# KiCad board dendy.kicad_pcb (continued)
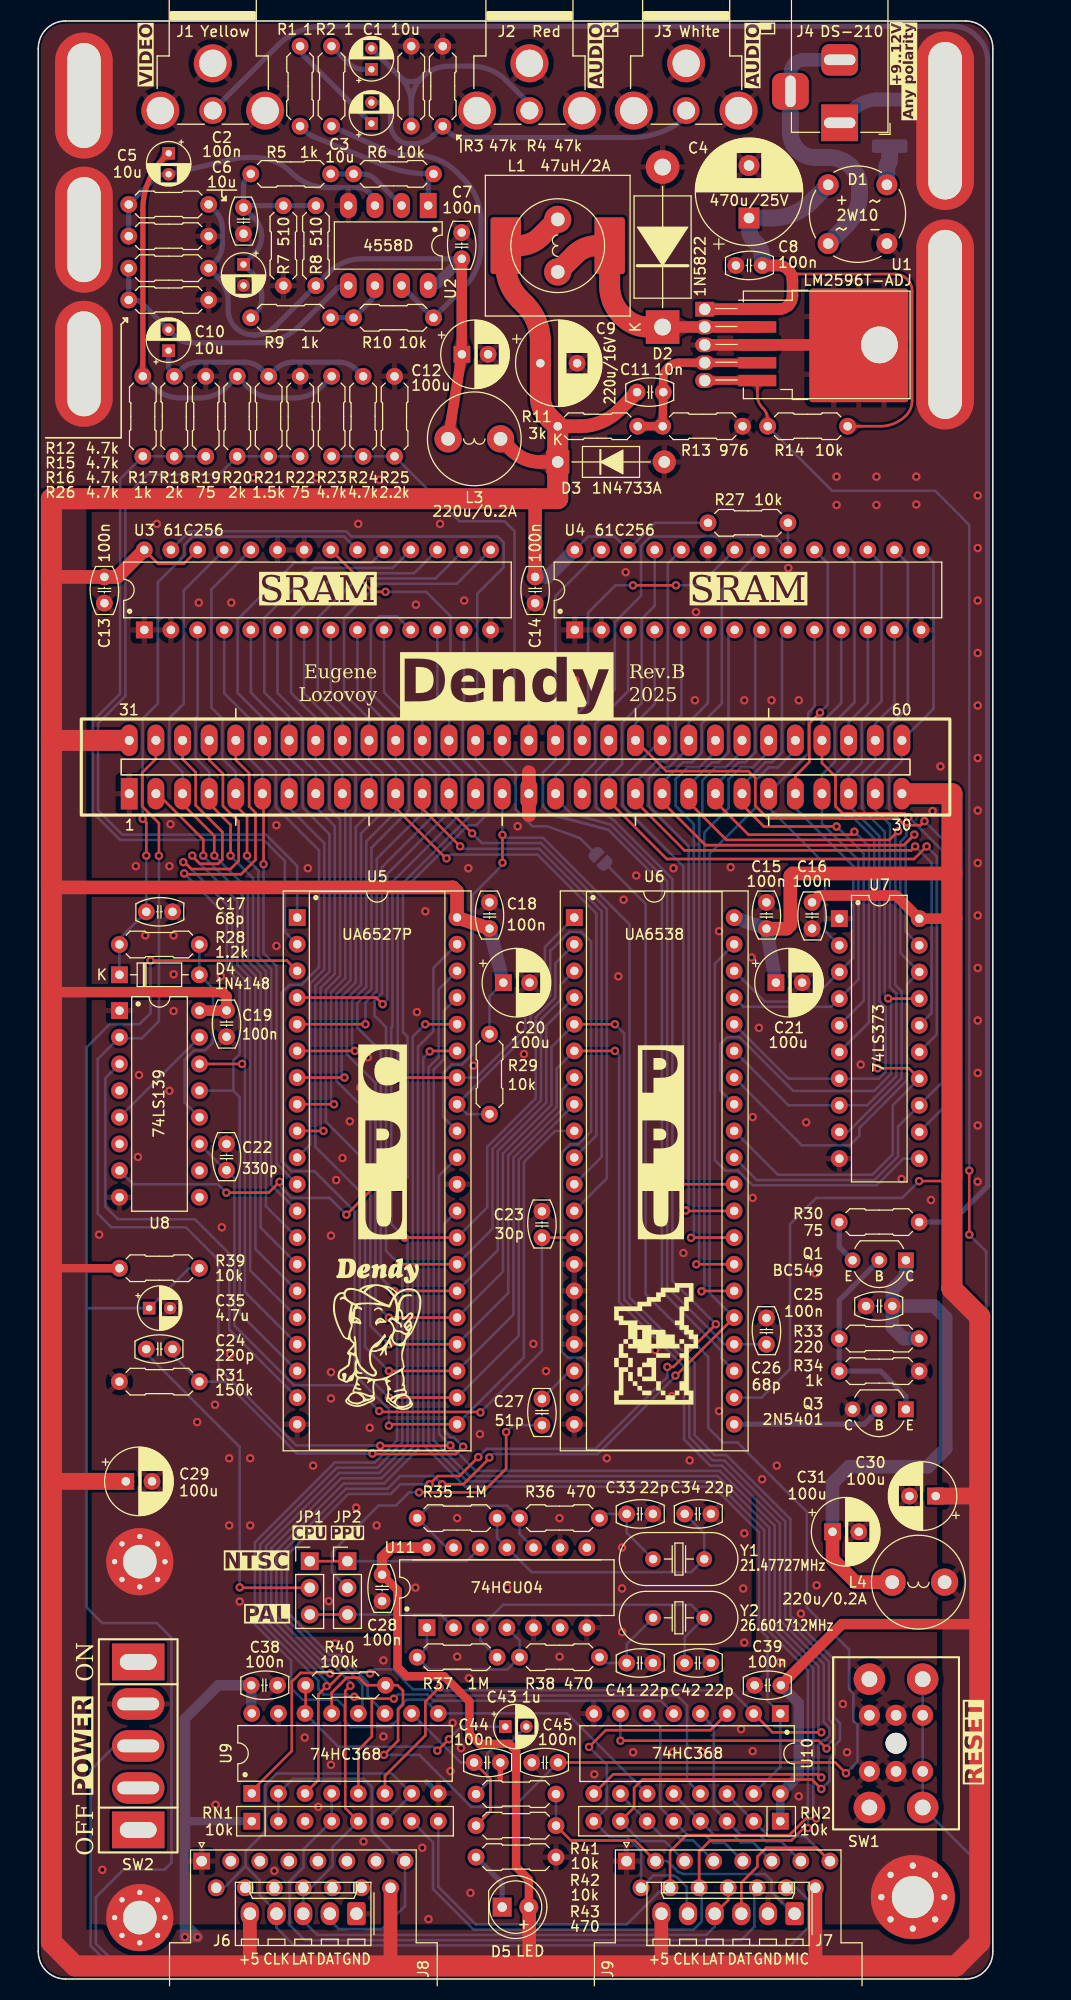
[diagram p0: board, top side]
## Routing (per net, layer and track width the routed paths; a pad name or vN(x,y) marks a point on that pad's centre or on a via; arc(x,y) is an arc through that point) (continued)
/~{PRD}: length 99.4
  Top w0.25: v1(60.79,132.75) v1(56.69,132.75)
  Bottom w0.25: C26.2 65.4,60.46 59.95,65.91 59.95,104.57 54.56,109.96 50.8,111 49.31,112.49 49.31,114.6 50.6,115.89 50.6,119.74 52.41,121.55 52.41,130.14 55.02,132.75 v1(56.69,132.75) ; U4.22 63.01,132.75 v1(60.79,132.75)
/~{PWR}: length 95.6
  Bottom w0.25: 48.94,110.94 54.36,109.46 ; 54.36,109.46 48.94,110.86 48.1,111.7 48.1,114.9 49.31,116.11 49.31,131.75 U4.27 ; 54.36,109.46 59.45,104.36 59.45,65.51 65.11,59.85 65.11,59.14 66.34,57.92
/~{RAMSEL}: length 61.2
  Top w0.25: v1(10.3,107) 10.3,110.15 v1(9.95,110.5)
  Bottom w0.25: v1(9.95,110.5) 9.95,120.05 11.4,121.5 11.4,133.04 13.91,135.56 13.91,136.6 14.71,137.4 29.14,137.4 U3.20 ; v1(10.3,107) 10.29,106.99 C17.2 7.73,99.09 R28.1 D4.1
/~{RESET}: length 249.1
  Top w0.25: v1(10.7,97) 23.7,97 U5.3
  Bottom w0.25: 4.6,63.9 C35.1 14.37,67.7 R39.2 ; 4.6,63.9 4.6,88.74 6.81,90.95 9.65,90.95 10.7,92 v1(10.7,97) ; 4.6,63.9 4.6,35.4 6.1,33.9 11.3,33.9 12.7,32.5 12.7,11.08 12.05,10.42 8.12,10.42 5.49,7.79 5.49,3.37 7.76,1.1 86.19,1.1 89.86,4.77 89.86,10.78 SW1.2 SW1.2
/~{ROMSEL}: length 77.9
  Top w0.25: v1(29.37,72.8) 32.18,75.6 v1(34.42,75.6) ; v1(17.93,74.9) 21.96,74.9 v1(23,75.94)
  Bottom w0.25: U8.7 9.04,75.7 17.13,75.7 v1(17.93,74.9) ; v1(34.42,75.6) 35.2,76.38 35.2,89.75 34.76,90.19 34.76,103.69 40.98,109.9 41.75,109.9 42.95,111.1 42.95,114.9 41.69,116.16 J5.44 ; v1(29.37,72.8) 27.77,74.4 24.15,74.4 23,75.55 v1(23,75.94)
/~{VRAMCS}: length 38.3
  Bottom w0.25: J5.48 51.85,119.68 54.96,122.8 54.96,129.25 57.46,131.75 57.46,136.5 58.36,137.4 70.18,137.4 U4.20 R27.2
Net-(C1-Pad1): length 4.6
  Bottom w0.5: C1.1 30.96,181.9 arc(30.22,182.05) 29.59,182.47 R2.1
Net-(C2-Pad2): length 23.3
  Bottom w0.5: R8.2 R7.1 19.86,168.91 arc(19.75,168.89) 19.65,168.82 ; 19.65,168.65 20.61,167.69 arc(21.12,166.93) 21.3,166.02 arc(21.12,165.12) 20.61,164.35 C6.1 20.49,162.38 arc(21.09,161.49) 21.3,160.43 21.3,160.02 arc(21.16,159.34) 20.78,158.76 R9.2 ; 19.65,168.65 arc(19.62,168.74) 19.65,168.82 ; 19.65,168.65 arc(19.59,168.74) 19.56,168.86 ; 19.56,168.86 19.56,170.76 arc(19.65,171.21) 19.91,171.59 R5.2 ; 19.56,168.86 arc(19.6,168.81) 19.65,168.82
Net-(C3-Pad1): length 10.2
  Bottom w0.5: C3.1 24.96,183.53 R1.1
Net-(C5-Pad1): length 42.8
  Top w0.5: R17.1 9.96,168.52 arc(10.5,171.21) 12.03,173.5 C5.1
  Bottom w0.5: R23.1 26.94,151.63 arc(25.8,150.87) 24.46,150.6 22.47,150.6 arc(21.13,150.87) 19.99,151.63 R20.1 17.94,151.63 arc(16.8,150.87) 15.46,150.6 13.47,150.6 arc(12.13,150.87) 10.99,151.63 R17.1
Net-(C10-Pad1): length 22.3
  Bottom w0.5: R24.1 30.29,153.33 arc(29.55,153.83) 28.67,154 24.26,154 arc(23.38,153.83) 22.64,153.33 R21.1 21.29,153.33 arc(20.55,153.83) 19.67,154 15.26,154 arc(14.38,153.83) 13.64,153.33 13.24,152.93 arc(12.96,152.81) 12.69,152.93 arc(12.49,153.23) 12.42,153.59 C10.1
Net-(C33-Pad2): length 8.1
  Bottom w0.25: Y1.2 56.09,42.51 C33.2 53.9,44.3 R36.2
Net-(C34-Pad2): length 28.6
  Bottom w0.25: R35.1 43.74,42.02 U11.11 44.7,41.09 47.03,38.75 62.23,38.75 Y1.1 63.48,42.44 C34.2
Net-(C41-Pad2): length 8.2
  Bottom w0.25: R38.1 54.05,30.1 C41.2 56.09,31.89 58.6,34.4
Net-(C42-Pad2): length 31.3
  Bottom w0.25: R37.2 42.13,32.26 U11.3 44.31,35.65 62.23,35.65 63.48,34.4 61.62,32.54 C42.2
Net-(C43-Pad2): length 9.1
  Bottom w0.25: C43.2 44.78,22.3 43.61,22.3 42.8,21.49 42.8,18.68 R41.2
Net-(D1-+): length 58.5
  Top w0.25: R14.2 80.26,147.9 arc(81.59,148.16) 82.72,148.92 arc(83.15,149.57) 83.3,150.33 83.3,160.75 arc(82.82,161.92) 81.66,162.4 72.48,162.4 arc(71.94,162.51) 71.49,162.81
  Top w1.1: U1.1 U1.1 70.62,159.05 arc(71.11,159.15) 71.53,159.43 arc(71.8,159.84) 71.9,160.33 71.9,161.82 arc(71.79,162.36) 71.49,162.81 arc(71.04,163.11) 70.5,163.22 C8.1
  Bottom w1.6: C8.1 69,163.98 arc(68.86,164.69) 68.46,165.29 68.37,165.38 arc(67.91,166.06) 67.75,166.86 C4.1 69.94,167.73 arc(71.97,168.13) 73.68,169.28 D1.3
Net-(D1-Pad2): length 3.5
  Bottom w1.6: D1.2 80.9,172.63 arc(80.93,172.81) 81.03,172.95 arc(81.13,173.1) 81.16,173.27 81.16,174.36
Net-(D1-Pad4): length 29.1
  Bottom w1.3: J4.3 71.7,181.53 arc(71.8,182.02) 72.07,182.43 arc(72.48,182.7) 72.97,182.8 J4.2
  Bottom w1.6: J4.3 71.7,175.88 arc(71.88,174.97) 72.4,174.2 arc(73.17,173.68) 74.08,173.5 75.4,173.5 arc(76.51,173.28) 77.45,172.65 arc(78.08,171.71) 78.3,170.6 78.3,170.05 arc(77.98,168.43) 77.06,167.06 D1.4 ; 71.7,180.83 71.7,178.77
Net-(D2-K): length 24.1
  Top w1.1: D2.1 U1.2
  Top w2: L2.1 51.15,164.23 arc(52.11,164.87) 53.24,165.1 arc(54.11,164.74) 54.47,163.88 54.47,161.25 arc(54.76,159.76) 55.61,158.49 55.77,158.33 arc(56.86,157.6) 58.13,157.35
Net-(D4-A): length 19.3
  Bottom w0.25: U8.12 13.95,83.49 13.95,87.55 14.85,88.45 15.9,88.45 16.65,89.2 16.65,94.36 D4.2 R28.2
Net-(D5-K): length 5.8
  Bottom w0.5: R43.1 44.22,9.12 D5.1
Net-(F1-Pad1): length 5.5
  Bottom w1.3: J4.1 77.61,178.01 arc(78.66,178.73) 79.9,179.02 81.16,179.02 F1.1
Net-(JP1-C): length 33.1
  Top w0.25: JP1.2 19.24,37.26 v1(19.2,37.3)
  Bottom w0.25: C24.1 10.29,59.58 19.2,50.67 v1(19.2,37.3)
Net-(JP2-C): length 31.1
  Top w0.25: v1(44.6,52.1) 44.6,48.6 42.35,46.35 v1(36.3,46.35)
  Bottom w0.25: v1(36.3,46.35) 35.35,46.35 34.1,45.1 32.45,45.1 28,40.65 28,38.74 JP2.2 ; C27.1 45.25,52.75 v1(44.6,52.1)
Net-(JP3-B): length 162.9
  Top w0.25: U9.13 27.97,27.27 29.4,28.7 30.57,28.7 31.29,27.98 R40.1 34.24,27.98 34.76,27.46 34.76,26.14 34.3,25.67 34.3,22.69 v1(32.95,21.35) ; C45.2 75.98,20.62 v1(77,19.6)
  Bottom w0.25: C45.2 45.33,16.4 41.28,16.4 36.33,21.35 v1(32.95,21.35) ; JP3.2 57.9,102.4 57.9,65.23 63.86,59.27 63.86,52.5 65.26,51.1 66.66,51.1 73.26,44.5 73.26,35.4 77.3,31.36 77.3,27.6 77.7,27.2 77.7,24.6 78.1,24.2 78.1,20.7 v1(77,19.6)
Net-(Q1-B): length 20.7
  Bottom w0.5: Q3.1 82.7,55.5 80.3,57.9 R34.2 R33.1 76.35,64.65 Q1.2
Net-(Q1-E): length 4.2
  Bottom w0.5: R30.2 76.35,69.73 Q1.3
Net-(R1-Pad2): length 16.5
  Bottom w0.5: U2.1 37.17,171.08 arc(37.24,171.41) 37.42,171.69 arc(37.46,171.84) 37.32,171.94 arc(34.91,172.18) 32.59,172.89 26.29,175.46 arc(25.78,175.74) 25.33,176.11 R1.2
Net-(R10-Pad1): length 33.5
  Bottom w0.5: U2.7 34.63,161.29 arc(34.64,161.28) 34.65,161.26 R10.1 40.61,161.17 arc(41.79,162.93) 42.2,165.01 42.2,167.55 arc(41.79,169.63) 40.61,171.39 39.89,172.11 arc(38.13,173.29) 36.05,173.7 35.74,173.7 arc(34.19,173.86) 32.71,174.35 R2.2
Net-(R35-Pad2): length 18.7
  Bottom w0.25: U11.13 38.94,41.09 R35.2 37.3,45.08 44.7,45.08 R36.1 45.88,42.42 U11.10
Net-(R37-Pad1): length 17.2
  Bottom w0.25: U11.1 37.05,31.58 R37.1 37.3,29.48 44.7,29.48 R38.2 45.88,32.26 U11.4
Net-(SW2-B): length 277.7
  Top w0.25: U1.5 68.55,150.84 arc(68.68,150.2) 69.04,149.66 69.08,149.62 arc(69.42,149.12) 69.53,148.53 R14.1 ; v1(88.75,70.9) v1(88.75,77)
  Top w0.8: U1.5 U1.5
  Bottom w0.25: v1(88.75,70.9) 90.36,69.29 90.36,4.56 86.4,0.6 7.56,0.6 4.99,3.17 4.99,19.89 7.3,22.2 SW2.2 ; v1(88.75,77) 88.75,138.5 85.5,141.75 75.68,141.75 R14.1
Net-(U1-FB): length 16.8
  Top w0.8: R11.2 R13.2 C11.2 59.58,152.46 arc(59.69,153.03) 60.01,153.51 arc(60.5,153.84) 61.07,153.95 U1.4 U1.4
Net-(U2A-+): length 29.1
  Bottom w0.5: R15.1 R12.2 11.16,171.57 arc(11.53,171.81) 11.96,171.9 ; U2.3 32.09,169.27 arc(32.03,169.58) 31.85,169.85 31.58,170.12 arc(31.02,170.49) 30.35,170.62 27.61,170.62 arc(25.73,171) 24.14,172.06 arc(22.55,173.13) 20.67,173.5 19.93,173.5 arc(19.2,173.46) 18.49,173.33 C5.2
Net-(U2A--): length 7.9
  Bottom w0.5: R5.1 R6.2 30.84,171.94 arc(31.56,171.79) 32.18,171.38 U2.2
Net-(U2B-+): length 27.8
  Bottom w0.5: R26.1 R16.2 ; U2.5 29.15,161.31 arc(28.79,161.23) 28.47,161.02 24.89,157.44 arc(23.13,156.26) 21.05,155.85 14.55,155.85 arc(13.74,156.01) 13.04,156.48 C10.2 9.94,159.58 arc(9.56,159.84) 9.11,159.93 arc(8.76,160.07) 8.62,160.41
Net-(U2B--): length 6
  Bottom w0.5: U2.6 32.09,160.79 arc(32,160.31) 31.73,159.91 R10.2 R9.1
Net-(U6-ALE): length 42.9
  Bottom w0.25: U7.11 82.46,78.14 79.92,75.6 68.1,75.6 66.7,77 65.5,77 64.5,78 64.5,96.72 66.34,98.56
Net-(U8A-O1): length 10.8
  Bottom w0.25: U8.5 U8.15
Net-(U9-I4): length 15.1
  Top w0.25: R42.2 43.1,15.98 43.1,19.06 C44.2
  Bottom w0.25: C44.2 40.27,20.62 U9.10
Net-(U9-I6): length 24.2
  Top w0.25: v1(39.14,22.84) v1(38.05,21.75) ; R40.2 25.49,25.36 U9.14
  Bottom w0.25: U9.14 28.61,22.12 37.67,22.12 v1(38.05,21.75) ; C43.1 40.34,24.04 v1(39.14,22.84)

## Copper pours and planes (outline as drawn; the poured copper is in the pictures)
+5V on Top: 4.58,141 -0.02,141 -0.02,0.1 90.78,0.1 90.68,61.1 86.18,65.6 86.18,5.9 84.48,4.7 4.58,4.7
GND on Top, Bottom: -0.24,186.7 91.16,186.7 91.16,-0.3 -0.24,-0.3

Small or netless copper shapes (teardrops, artwork), in the pictures only: 26 on Top, 89 on Bottom

## Text on the board
F.Silkscreen: +9..12V | Any polarity | VIDEO | AUDIO | R | L | Eugene / Lozovoy | Rev.${REVISION} / 2025 | NTSC | PAL | SRAM | C / P / U | P / P / U | ${TITLE}
